# Allegro board mb1260.brd (continued)
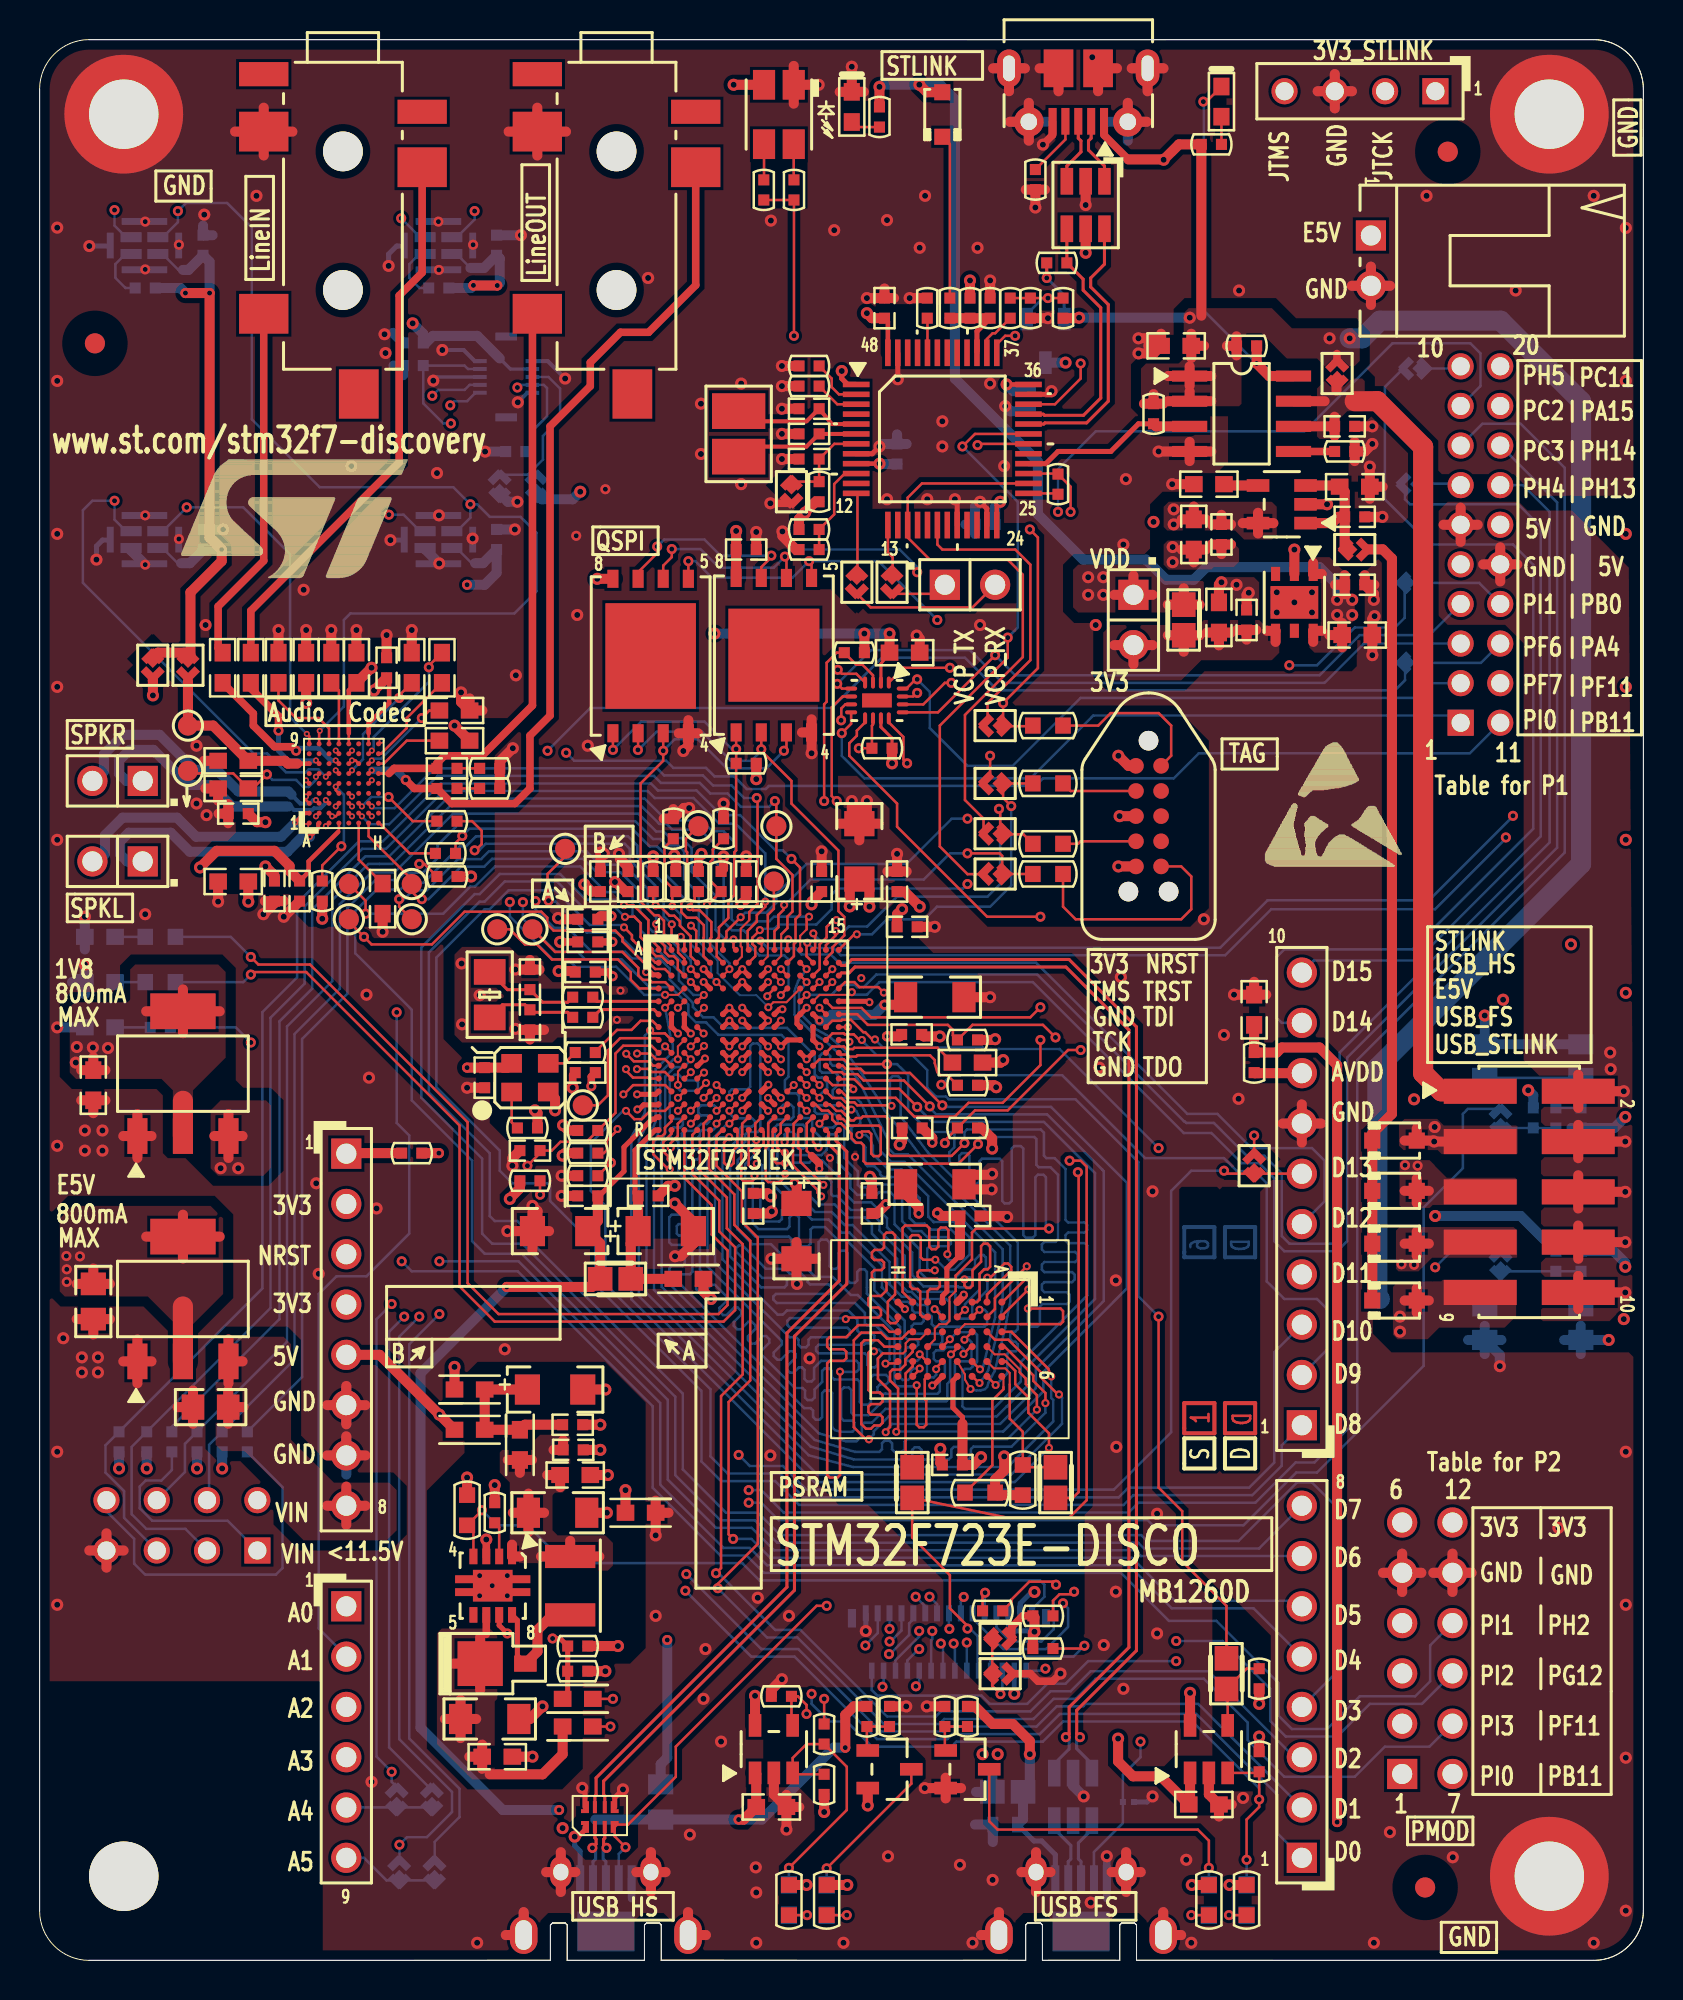
[diagram p0: board, top side]
## Routing (per net, layer and track width the routed paths; a pad name or vN(x,y) marks a point on that pad's centre or on a via; arc(x,y) is an arc through that point) (continued)
ARD_D7: length 82.6
  TOP w0.127: v1(29.51,53.29) 29.99,53.29 30.75,52.53 30.75,51.68 31.26,51.16 U8.A1
  BOTTOM w0.127: CN13.8 61.59,20.8 55.78,20.8 55.48,21.09 37.25,21.09 36.12,22.23 34.39,22.23 32.11,24.51 32.11,28.46 24.38,36.2 22.86,36.2 22.35,36.7 22.35,40.49 19.28,43.56 19.28,51.16 21.97,53.85 22.23,53.85 23.24,54.86 26.28,54.86 27.58,53.57 29.24,53.57 v1(29.51,53.29)
ARD_D8: length 79.8
  TOP w0.127: v1(29.52,52.17) 29.52,52.18 29.92,51.78 29.92,51.57 29.98,51.51 29.98,51.5 30.32,51.16 30.33,51.16 31.11,50.38 U8.B1
  BOTTOM w0.127: v1(29.52,52.17) 29.52,52.17 29.4,52.29 27.78,52.29 26.03,54.04 23.69,54.04 22.73,53.09 22.48,53.09 20.04,50.65 20.04,44.09 23.24,40.89 23.24,39.88 23.88,39.24 25.65,39.24 25.78,39.12 25.78,38.35 28.07,36.07 28.07,34.12 33.43,28.76 33.43,25.2 34.42,24.21 37.15,24.21 38.35,23 54.75,23 55.24,23.5 61.25,23.5 62.74,24.98 62.74,26.01 CN11.1
ARD_D9: length 41.5
  TOP w0.127: v1(38.09,44.21) U8.M11
  L4_SIG w0.102: v2(45.54,44.22) 45.34,44.01 42.35,44.01 41.66,44.7 40.05,44.7 39.1,45.65 39.1,45.65 38.89,45.86 38.59,45.86 38.09,45.36 v1(38.09,44.21)
  BOTTOM w0.127: CN11.2 65.02,30.84 65.02,32.89 64.52,33.4 62.87,33.4 61.98,34.29 61.98,39.24 61.36,39.86 60.47,39.86 59.82,40.51 55.83,40.51 51.64,44.7 46.03,44.7 v2(45.54,44.22)
ARD_D10: length 61.2
  TOP w0.127: v1(29.62,42.9) 30.04,42.48 30.41,42.48 30.47,42.55 30.48,42.55 30.83,42.9 31.58,42.9 U8.N2
  BOTTOM w0.127: v1(29.62,42.9) 29.46,42.9 27.84,41.27 27.84,38.86 28.57,38.13 28.57,34.15 33.88,28.84 33.88,25.45 34.75,24.59 37.38,24.59 38.58,23.39 38.58,23.39 38.6,23.38 54.5,23.38 54.99,23.88 61.09,23.88 62.36,25.14 62.36,30.71 CN11.3
ARD_D11: length 49.4
  TOP w0.127: v1(35.41,52.68) 34.69,51.96 34.69,51.66 34.51,51.48 U8.A6
  L4_SIG w0.102: CN11.4 62.89,34.64 61.85,35.69 61.85,39.23 59.6,41.48 54.36,41.48 49.43,46.41 49.43,52.43 47.8,54.05 47.8,56.72 v2(46.86,57.66)
  BOTTOM w0.127: v1(35.41,52.68) 35.64,52.91 36.7,52.91 37.21,53.42 37.21,53.85 38.73,55.37 43.78,55.37 46.07,57.66 v2(46.86,57.66)
ARD_D12: length 37.3
  TOP w0.102: v1(36.4,51.5) 36.46,51.43 U8.A9
  BOTTOM w0.127: v1(36.4,51.5) 36.79,51.1 38.18,51.1 38.48,50.8 39.95,50.8 40.37,50.38 50.33,50.38 57.96,42.75 59.49,42.75 61.21,41.02 64.26,41.02 64.9,40.39 64.9,38.33 CN11.5
ARD_D13: length 61.4
  TOP w0.127: U8.P4 32.91,42.27 32.91,42.27 v1(32.89,42.26) ; CN11.6 63.74,39.73 SB14.2 59.97,39.73 v2(59.82,39.88)
  L4_SIG w0.102: v1(32.89,42.26) 33.1,42.05 33.1,40.94 34.06,39.98 34.06,35.56 35.46,34.16 35.46,25.68 v2(35.31,25.53)
  BOTTOM w0.127: v2(35.31,25.53) 35.86,24.97 37.54,24.97 38.73,23.77 54.25,23.77 57.15,26.67 57.15,38.86 58.17,39.88 v2(59.82,39.88)
ARD_D14: length 197
  TOP w0.102: U8.J4 33.53,46.15 33.53,46.15 v1(33.56,46.18)
  TOP w0.127: v2(25.28,38.67) 25.27,38.67 R59.1
  L4_SIG w0.102: v1(33.56,46.18) 33.56,46.28 33.91,46.63 33.91,46.99 33.53,47.37 32,47.37 31.62,47 31.62,46.76 30.96,46.1 30.96,44.69 30.47,44.2 29.41,44.2 28.63,43.42 28.63,42.83 28.19,42.4 28.19,41.81 27.38,40.99 27.38,39.57 26.92,39.12 25.91,39.12 25.46,38.67 v2(25.28,38.67) 24.74,38.67 24.05,37.97 21.72,37.97 19.05,35.31 19.05,34.42 v2(17.78,33.15) ; v2(17.78,9.53) 18.92,8.38 24.61,8.38 26.54,10.31 45.44,10.31 47.4,8.36 50.5,8.36 51.28,9.14 64.52,9.14 65.53,10.16 65.53,24.16 71.4,30.02 71.4,35.79 70.48,36.7 67.31,36.7 65.28,38.73 65.28,45.82 CN11.9
  BOTTOM w0.127: 18.03,8.76 17.78,9.02 v2(17.78,9.53) 17.02,10.29 17.02,32.38 v2(17.78,33.15) ; CN11.9 62.74,47.34 62.48,47.6 62.48,50.67 62.87,51.05 69.34,51.05 75.44,57.15 75.44,70.48 74.42,71.5 70.23,71.5 67.94,73.79 67.94,79.46 SB27.1
ARD_D15: length 192.9
  TOP w0.102: U8.H4 v1(32.89,46.16)
  TOP w0.127: R60.1 28.5,40.77 28.65,40.92 28.65,41.4 29.19,41.94 v1(29.19,41.99)
  L4_SIG w0.102: v1(32.89,46.16) 32.66,45.92 32.15,45.92 31.42,45.19 31.42,44.48 30.85,43.9 30.85,43.04 29.84,42.04 29.24,42.04 v1(29.19,41.99) 29.19,41.5 28.32,40.64 28.32,38.23 25.91,35.81 21.59,35.81 19.18,33.4 v2(19.18,32.51) ; v2(18.17,5.84) 19.3,5.84 21.46,8 24.84,8 26.77,9.93 44.85,9.93 44.85,9.93 45.27,9.93 45.31,9.93 47.19,8.05 47.74,8.05 47.76,8.03 50.62,8.03 51.36,8.76 64.64,8.76 65.91,10.03 65.91,23.77 71.75,29.62 71.75,35.94 70.61,37.08 67.69,37.08 65.66,39.12 65.66,48.39 64.16,49.88 CN11.10
  BOTTOM w0.127: CN11.10 64.36,50.5 69.55,50.5 75.82,56.77 75.82,72.39 74.68,73.53 69.22,73.53 68.96,73.79 68.96,74.17 68.76,74.37 SB25.1 ; SB38.1 v2(18.17,5.84) 18.56,6.22 19.56,6.22 20.83,7.49 20.83,8.51 18.16,11.18 18.16,31.5 v2(19.18,32.51)
BLGND: length 12.6
  TOP w0.381: U12.3 v4(22.56,21.25)
  TOP w0.508: v4(25.4,12.83) 24.77,12.19 C75.1 ; C69.1 v4(28.32,27.05) ; R67.1 v4(22.99,24) ; C67.2 v4(28.57,28.83) ; R69.1 v4(29.21,15.88) ; v4(28.7,24.51) C72.1 ; C70.1 v4(28.32,25.78) ; C73.1 v4(28.65,22.61) ; R66.1 v4(21.59,24.38) ; L5.2 v4(29.59,23.75) ; C76.1 v4(24.89,10.29)
  vias: v2(22.23,19.43) v2(22.23,18.41) v2(22.86,18.92) v2(23.62,19.43) v2(23.62,18.41)
BOOT0: length 9.1
  TOP w0.102: U8.D6 v1(34.19,49.41)
  TOP w0.127: v1(31.95,53.24) 31.95,53.8 32.13,53.98 31.56,54.55 31.56,56.2 R36.2
  BOTTOM w0.127: v1(34.19,49.41) 33.91,49.69 33.91,50.29 32.86,51.34 32.86,51.73 32.37,52.22 32.37,52.82 v1(31.95,53.24)
BYPASSREG: length 9.2
  TOP w0.127: U8.L4 33.21,44.54 33.51,44.83 v1(33.56,44.83) ; R61.2 v2(28.85,40.28)
  L4_SIG w0.102: v2(28.85,40.28) 28.91,40.34 28.91,40.79 29.57,41.45 29.77,41.45 31.05,42.74 31.05,43.82 32,44.77 32.48,44.77 32.79,44.45 33.15,44.45 33.53,44.83 v1(33.56,44.83)
CTP_INT: length 46.6
  TOP w0.102: v1(31.59,48.76) 32.24,48.76 U8.D3
  L4_SIG w0.102: v2(20.77,77.62) 21.45,76.94 23.52,76.94 25.65,74.8 25.65,62.61 26.16,62.1 26.16,60.71 24.77,59.31 24.77,54.61 23.75,53.59 v2(23.75,53.45)
  BOTTOM w0.127: v2(23.75,53.45) 23.75,52.72 25.92,50.56 26.68,50.56 27.06,50.18 29.12,50.18 30.54,48.76 v1(31.59,48.76) ; v2(20.77,77.62) 20.39,77.62 19.38,78.63 R21.2 21.46,80.54 21.64,80.36 CN16.2
CTP_RST: length 54.5
  TOP w0.127: U8.M13 v1(39.39,43.56)
  L4_SIG w0.102: v2(24.13,79.43) 24.86,78.7 24.86,76.36 26.04,75.18 26.04,62.99 27.1,61.93 27.1,57.78 26.16,56.84 26.16,55.04 25.04,53.92 v2(25.04,53.49)
  BOTTOM w0.127: v1(39.39,43.56) 39.39,43.68 39.78,44.07 39.78,44.32 39.76,44.34 39.76,44.36 39.54,44.57 39.53,44.57 39.52,44.58 39.32,44.58 39.14,44.75 39.14,45.69 37.75,47.09 34.57,47.09 34.04,47.62 33.52,47.62 32.99,48.15 32.99,48.35 31.82,49.53 31.82,50.1 31.32,50.6 29.92,50.6 29.57,50.94 27.88,50.94 26.67,52.15 25.98,52.15 25.04,53.08 v2(25.04,53.49) ; v2(24.13,79.43) 24.26,79.56 CN16.7 25.47,79.56 25.63,79.4 25.63,77.98 24.86,77.22 24.86,76.5 R18.2
CTP_SCL: length 77.7
  TOP w0.127: v2(51.31,46.61) 50.67,47.24 47.12,47.24 R52.2 46.13,46.71 46.13,46.99 45.87,47.24 41.83,47.24 41.29,47.78 U8.F15
  L4_SIG w0.102: v2(51.31,46.61) 51.64,46.94 51.64,70.74 52.96,72.06 52.96,73.91 52.25,74.63 45.14,74.63 42.7,77.06 41.43,77.06 38.48,80.01 37.08,80.01 36.6,80.49 22.7,80.49 v2(20.74,78.53)
  BOTTOM w0.127: CN16.5 22.01,79.16 21.59,78.74 20.95,78.74 v2(20.74,78.53)
CTP_SDA: length 86.7
  TOP w0.127: U8.M12 v1(38.74,43.56) ; v2(52.58,45.97) 51.94,45.97 48.9,42.93 47.24,42.93 R56.1 45.72,41.4 v2(45.72,41.27)
  L4_SIG w0.102: v1(38.74,43.56) 38.77,43.56 39.22,43.1 39.95,43.1 40.66,42.4 41.43,42.4 41.48,42.45 41.98,42.45 42.69,41.73 42.95,41.73 42.95,41.73 45.34,41.73 45.72,41.35 v2(45.72,41.27) ; v2(52.58,45.97) 52.32,46.23 52.32,70.23 53.72,71.63 53.72,74.17 51.94,75.95 45.09,75.95 43.28,77.75 41.76,77.75 38.1,81.41 22.23,81.41 v2(19.83,79.01)
  BOTTOM w0.127: CN16.4 21.72,79.56 21.46,79.31 20.13,79.31 v2(19.83,79.01)
DMIC_VDD: length 73.7
  TOP w0.508: v2(7.37,84.2) v2(8.59,84.2) 8.59,71.86 v2(9.19,71.25) 9.19,70.66 7.62,69.09 7.62,65.9 SB5.2 7.29,66.04 5.98,66.04 SB1.2 ; v2(23.11,84.58) 21.92,84.58 v2(21.91,84.59)
  L4_SIG w0.508: v2(21.59,69.47) 17.14,69.47 15.37,71.25 v2(9.19,71.25) ; v2(8.59,84.2) 10.64,86.26 20.24,86.26 v2(21.91,84.59)
  BOTTOM w0.127: U17.1 6.21,86.17 7.01,85.37 7.24,85.37 ; U19.1 6.21,71.32 6.97,70.56 7.15,70.56 ; U18.1 21.05,71.32 21.82,70.56 22,70.56 ; 21.76,85.47 21.05,86.17 U16.1
  BOTTOM w0.508: R85.2 21.78,84.45 v2(21.91,84.59) ; v2(9.19,71.25) C85.1 8.26,71.22 7.59,70.56 7.15,70.56 ; v2(21.59,69.47) 22.48,69.47 23.08,70.07 C84.1 22.4,70.56 22,70.56 ; 21.76,85.47 22.45,85.47 C79.1 23.24,85.95 23.24,84.71 v2(23.11,84.58) ; v2(7.37,84.2) 7.11,84.45 R86.2 ; v2(8.59,84.2) 8.59,85.78 C80.1 7.52,85.37 7.24,85.37
DMICCLK: length 74.5
  TOP w0.127: U7.C6 v3(14.46,59.78)
  L4_SIG w0.102: v2(18.26,87.98) 17.66,87.38 10.05,87.38 8.65,88.77 4.17,88.77 v2(3.78,88.39) v2(3.78,73.71) 4.98,72.52 7.82,72.52 8.32,73.01 v2(17.64,73.01)
  BOTTOM w0.127: U19.3 4.37,72.17 3.78,72.76 v2(3.78,73.71) 2.67,73.71 2.18,73.23 2.18,69.57 10.81,60.95 11.49,60.95 12.45,59.99 13.44,59.99 13.59,60.15 14.09,60.15 v3(14.46,59.78) ; U16.3 19.21,87.02 v2(18.26,87.98) ; v2(17.64,73.01) 18.38,73.01 19.21,72.17 U18.3 ; U17.3 4.37,87.02 3.78,87.6 v2(3.78,88.39)
DMICDAT1: length 54.7
  TOP w0.127: U7.B9 14.12,62.06 v3(14.15,62.09)
  BOTTOM w0.127: v2(21.76,73.53) 21.76,72.86 21.08,72.17 U18.4 ; v2(21.76,73.53) 22.1,73.53 22.74,72.9 24.29,72.9 25.1,72.09 25.1,69.14 23.98,68.02 15.7,68.02 15.37,67.69 15.37,63.31 v3(14.15,62.09) ; v2(21.76,73.53) 20.89,74.4 14.15,74.4 10.72,77.83 10.72,87.5 9.47,88.75 7.39,88.75 v2(6.99,88.34) 6.99,87.78 6.23,87.02 U17.4
DMICDAT2: length 48.8
  TOP w0.127: U7.A9 13.62,61.82 v3(13.49,61.94)
  L4_SIG w0.102: v2(21.97,88.34) 20.55,86.92 8.84,86.92 6.43,84.51 6.43,74.38 v2(7.43,73.38)
  BOTTOM w0.127: U19.4 6.23,72.17 v2(7.43,73.38) 10.29,73.38 12.65,71.02 12.65,62.78 v3(13.49,61.94) ; U16.4 21.08,87.02 21.97,87.92 v2(21.97,88.34)
E5V: length 200.4
  TOP w0.508: 1.87,34.16 C68.2 ; C68.2 2.71,34.94 ; C68.2 3.55,34.16 ; 5.38,36.55 U11.4 ; U11.4 7.24,35.45 ; U11.4 7.24,37.66 ; U11.4 9.09,36.55 ; R58.2 v2(20.17,40.77) ; 68.94,38.86 D4.1 ; D4.1 69.55,39.47 ; D4.1 70.16,38.86 ; D4.1 69.55,38.25
  TOP w1.016: U11.2 7.24,33.02
  L4_SIG w0.508: 2.26,34.39 11.91,34.39 14.58,37.06 17.37,37.06 20.17,39.85 v2(20.17,40.77)
  L4_SIG w1.016: 58.42,78.11 50.8,78.11 49.97,78.93 49.97,79.95 48.64,81.28 42.36,81.28 36.8,86.84 26.9,86.84 23.62,83.57 21.13,83.57 18.68,81.11 18.68,77.88 22.99,73.58 22.99,62.23 20.45,59.69 20.45,53.21 17.91,50.67 13.21,50.67 7.75,45.21 7.75,40.69 5.13,38.07 2.79,38.07 1.75,37.03 1.75,36.47 ; 58.42,78.11 61.09,78.11 63.5,80.52 63.5,85.47 65.14,87.11 CN3.1 ; 58.42,78.11 58.42,68.83 60.2,67.06 63.25,67.06 67.18,63.12 67.18,41.02 68.07,40.13
  vias: v2(1.35,35.57) v2(1.37,34.9) v2(1.37,34.26) v2(2.04,35.55) v2(68.96,40.16) v2(69.6,40.13)
LCD-RS_A0: length 2
  TOP w0.127: v2(47.75,18.57) 47.62,18.44 R101.2
  BOTTOM w0.127: CN17.21 47.73,18.54 v2(47.75,18.57)
LCD_BL: length 66.7
  TOP w0.127: L7.1 v2(28.96,13.21) ; U8.L12 v1(38.74,44.21)
  L4_SIG w0.102: v1(38.74,44.21) 39.1,44.56 39.54,44.56 40.51,43.59 41.7,43.59 42.95,42.34 45.92,42.34 46.1,42.16 48.39,42.16 53.34,37.21 53.34,33.27 53.85,32.77 53.85,18.08 52.1,16.33 51.31,16.33 49.83,14.86 48.77,14.86 45.87,11.96 39.85,11.96 38.86,12.95 38.38,12.95 38.15,12.73 29.44,12.73 v2(28.96,13.21)
LCD_NE: length 54.3
  TOP w0.102: v1(37.44,49.4) 37.11,49.73 U8.C10
  TOP w0.127: v2(52.77,15.89) 52.63,15.75 51.18,15.75
  L4_SIG w0.102: v1(37.44,49.4) 37.44,49.4 37.44,49.3 37.87,48.87 37.87,47.17 40.03,45.01 42.04,45.01 42.34,44.7 45.82,44.7 47.68,42.85 48.77,42.85 54.86,36.75 54.86,27.03 55.22,26.67 55.22,16.9 55.09,16.78 53.64,16.78 52.76,15.89 v2(52.77,15.89)
  BOTTOM w0.127: v2(52.77,15.89) 52.22,15.34 48.23,15.34 48.03,15.13 CN17.22
LCD_PSRAM_D0: length 53.3
  TOP w0.127: U8.M14 40.05,43.55 40.5,43.55 40.69,43.36 40.7,43.36 40.72,43.33 41.15,43.33 41.3,43.18 43,43.18 v1(43.03,43.15) ; v1(48.29,29.06) U10.B6
  L4_SIG w0.102: v1(48.29,29.06) 49.58,29.06 49.71,29.18 49.71,29.46 49.58,29.59 48.89,29.59 48.77,29.71 48.77,29.88 48.89,30 49.56,30 49.68,30.12 49.68,30.33 49.56,30.45 48.92,30.45 48.79,30.58 48.79,30.78 48.92,30.91 49.94,30.91 50.06,30.78 50.06,28.78 49.94,28.65 49.68,28.65 49.56,28.52 49.56,27.15 50.04,26.67 50.04,25.22 50.16,25.1 50.6,25.1 50.72,24.97 50.72,19.89 50.6,19.76 49.48,19.76 49.35,19.63 49.35,17.78 48.64,17.07 47.41,17.07 47.29,16.95 47.29,16.78 47.41,16.66 47.73,16.66 47.85,16.54 47.85,16.33 47.73,16.21 46.95,16.21 46.83,16.08 v2(46.83,16.05)
  BOTTOM w0.127: v1(43.03,43.15) 42.95,43.23 42.95,44.53 43.08,44.65 43.36,44.65 43.48,44.53 43.48,42.62 44.86,40.8 49.4,36.26 49.4,31.88 49.28,31.75 49.15,31.75 49.02,31.62 49.02,31.37 49.15,31.24 49.28,31.24 49.4,31.11 49.4,30.86 49.3,30.76 49,30.76 48.87,30.63 48.87,29.64 v1(48.29,29.06) ; CN17.18 v2(46.83,16.05)
LCD_PSRAM_D1: length 54.8
  TOP w0.127: U8.L14 40.05,44.2 41,44.2 41.1,44.1 v1(41.1,43.99) ; U10.C5 v1(47.49,29.85)
  L4_SIG w0.102: v2(46.67,18.35) 46.67,18.71 47.12,19.15 47.27,19.15 47.37,19.05 47.37,18.8 47.12,18.54 47.12,18.26 47.24,18.14 48.41,18.14 48.54,18.01 48.54,17.88 48.67,17.75 48.9,17.75 49.02,17.88 49.02,18.54 48.9,18.67 48.26,18.67 48.13,18.8 48.13,18.97 48.26,19.1 48.87,19.1 49.05,19.28 49.05,19.94 49.17,20.07 50.29,20.07 50.42,20.19 50.42,22.15 50.32,22.25 49.35,22.25 49.25,22.35 49.25,22.56 49.35,22.66 50.22,22.66 50.34,22.78 50.34,22.94 50.22,23.06 49.35,23.06 49.25,23.16 49.25,23.37 49.35,23.47 50.25,23.47 50.37,23.59 50.37,23.76 50.25,23.88 49.35,23.88 49.25,23.98 49.25,24.18 49.35,24.28 50.27,24.28 50.39,24.41 50.39,24.61 50.27,24.74 49.86,24.74 49.73,24.87 49.73,26.42 49.25,26.9 49.25,27.03 49.25,27.28 49.25,27.28 49.25,28.55 49.12,28.68 47.98,28.68 47.85,28.8 47.85,29.72 47.73,29.85 v1(47.49,29.85)
  BOTTOM w0.127: CN17.17 46.53,18.13 46.67,18.28 v2(46.67,18.35) ; v1(47.49,29.85) 47.5,29.85 47.62,29.98 47.65,29.98 48.26,32.48 48.26,35.76 43.7,40.32 43.02,40.32 42.47,40.87 42.47,41.21 41.66,42.93 41.48,43.31 41.25,43.54 40.18,43.54 40.06,43.66 40.06,43.94 40.31,44.2 40.31,44.7 40.18,44.83 39.52,44.83 39.4,44.96 39.4,45.67 39.52,45.8 39.8,45.8 39.93,45.67 39.93,45.31 40.06,45.19 40.36,45.19 40.64,44.91 40.64,43.99 40.74,43.89 41,43.89 v1(41.1,43.99)
LCD_PSRAM_D2: length 55
  TOP w0.127: U10.C6 47.11,29.49 47.45,29.16 v1(47.47,29.16) ; U8.B12 38.42,50.38 v1(38.74,50.06)
  L4_SIG w0.102: v1(47.47,29.16) 47.55,29.08 47.55,28.47 47.68,28.35 48.79,28.35 48.92,28.22 48.92,26.77 49.33,26.37 49.33,24.76 48.92,24.35 48.92,22.07 49.05,21.95 49.96,21.95 50.09,21.82 50.09,21.59 49.96,21.46 49.56,21.46 49.43,21.34 49.43,21.08 49.56,20.95 49.91,20.95 50.04,20.83 50.04,20.57 49.91,20.45 47.19,20.45 47.07,20.32 47.07,20.09 47.19,19.96 48.59,19.96 48.72,19.84 48.72,19.58 48.59,19.46 46.99,19.46 46.24,18.71 46.24,17.93 46.37,17.81 48.18,17.81 48.31,17.68 48.31,17.5 48.18,17.37 46.51,17.37 46.38,17.25 46.38,16.22 v2(46.16,16)
  BOTTOM w0.127: v1(47.47,29.16) 47.76,29.53 47.91,29.8 48.42,31.92 48.64,33.12 48.64,35.92 43.85,40.7 43.18,40.7 42.85,41.03 42.85,41.32 42.85,41.43 41.4,44.38 41.33,44.48 40.35,45.81 39.69,46.43 39.01,46.86 38.13,47.75 38.13,48.95 38.31,49.46 v1(38.74,50.06) ; CN17.16 46.23,15.81 46.16,15.88 v2(46.16,16)
LCD_PSRAM_D3: length 54.9
  TOP w0.102: U10.D5 46.74,29.59 46.74,29.34 46.96,28.96
  TOP w0.127: 46.96,28.96 v1(47.02,28.85) ; U8.C12 38.73,49.41 v1(38.74,49.41)
  L4_SIG w0.102: v1(47.02,28.85) 46.89,28.73 46.89,28.14 47.02,28.02 48.49,28.02 48.62,27.89 48.62,27.66 48.51,27.56 47.01,27.56 46.89,27.44 46.89,27.27 47.01,27.15 48.51,27.15 48.62,27.05 48.62,26.04 48.49,25.91 47.17,25.91 47.04,25.78 47.04,24.87 47.17,24.74 48.46,24.74 48.59,24.61 48.59,21.77 48.46,21.64 46.89,21.64 46.76,21.51 46.76,21.36 46.89,21.23 48.98,21.23 49.1,21.12 49.1,20.95 48.98,20.83 46.89,20.83 46.76,20.7 46.76,19.66 45.94,18.83 45.94,16.75 v2(45.95,16.74)
  BOTTOM w0.127: v2(45.95,16.74) 45.93,16.76 CN17.15 ; v1(38.74,49.41) 38.35,48.85 38.35,47.88 39.19,47.04 39.89,46.64 40.53,46.09 40.67,45.95 41.55,44.74 42.25,43.67 42.69,42.9 43.93,41.38 44.54,40.58 49.02,36.09 49.02,33.27 48.77,31.93 48.24,29.76 47.99,29.32 47.92,29.17 47.85,28.96 47.74,28.84 47.52,28.78 47.31,28.78 v1(47.02,28.85)
LCD_PSRAM_D4: length 52.6
  TOP w0.127: U10.E5 45.28,29.93 v1(45.28,29.86) ; v1(36.22,40.23) 36.22,40.16 36.09,40.03 35.94,40.03 35.81,40.16 U8.R8
  L4_SIG w0.102: v1(45.28,29.86) 46.43,29.86 46.56,29.73 46.56,26.9 46.69,26.77 48.18,26.77 48.31,26.64 48.31,26.34 48.18,26.21 46.74,26.21 46.61,26.09 46.61,24.49 46.74,24.36 48.13,24.36 48.26,24.23 48.26,24.03 48.16,23.93 47.29,23.93 47.17,23.81 47.17,23.64 47.29,23.52 48.16,23.52 48.26,23.42 48.26,23.22 48.16,23.11 46.6,23.11 46.48,22.99 46.48,22.83 46.6,22.71 48.16,22.71 48.26,22.61 48.26,22.4 48.16,22.3 46.58,22.3 46.46,22.17 46.46,19.79 45.52,18.85 v2(45.52,16)
  BOTTOM w0.127: v2(45.52,16) 45.63,15.89 CN17.14 ; v1(45.28,29.86) 45.28,29.57 45.15,29.44 44.95,29.44 44.82,29.57 44.82,30.99 44.95,31.11 45.47,31.11 45.59,31.24 45.59,31.52 45.47,31.65 44.17,31.65 44.04,31.78 44.04,32.03 44.17,32.16 44.53,32.16 44.65,32.28 44.65,32.59 44.53,32.72 44.2,32.72 44.07,32.84 44.07,33.04 44.07,33.04 44.07,33.05 43.86,33.26 43.27,33.26 42.93,33.61 42.93,33.61 42.77,33.76 42.77,33.76 42.55,33.99 42.55,33.99 42.55,35.11 40.91,36.75 40.5,36.75 39.84,37.41 39,37.41 38.39,38.02 38.38,38.02 37.62,38.02 37.49,37.9 37.49,37.44 37.36,37.31 36.55,37.31 36.4,37.47 36.4,38.86 36.5,38.96 36.5,40.13 36.4,40.23 v1(36.22,40.23)
LCD_PSRAM_D5: length 52.5
  TOP w0.127: v1(44.45,30.61) 44.81,30.24 U10.F5 ; U8.P8 35.48,42.25 35.48,41.72 35.47,41.71 35.47,40.96 35.43,40.92 35.43,39.47 35.56,39.34 35.98,39.34 36.11,39.47 v1(36.11,39.62)
  L4_SIG w0.102: v1(44.45,30.61) 44.45,30.86 44.58,30.99 48.16,30.99 48.29,30.86 48.29,30.35 48.16,30.23 45.03,30.23 44.91,30.1 44.91,29.58 45.03,29.45 46.13,29.45 46.25,29.33 46.25,24.59 46.13,24.46 45.39,24.46 45.26,24.33 45.26,24.08 45.39,23.95 46.74,23.95 46.86,23.83 46.86,23.65 46.74,23.52 46.25,23.52 46.13,23.39 46.13,21.34 46,21.21 45.39,21.21 45.29,21.11 45.29,20.9 45.39,20.8 45.97,20.8 46.1,20.68 46.1,20.47 45.97,20.35 45.34,20.35 45.21,20.22 45.21,19.99 45.34,19.86 45.64,19.86 45.77,19.74 45.77,19.53 45.64,19.41 45.34,19.41 45.21,19.28 45.21,18.49 45.09,18.36 v2(44.95,18.36)
  BOTTOM w0.127: v1(36.11,39.62) 36.02,39.54 36.02,37.22 36.31,36.93 37.74,36.93 37.87,37.06 37.87,37.52 38,37.64 38.23,37.64 38.35,37.52 38.35,36.2 38.48,36.07 38.81,36.07 38.94,36.2 38.94,36.91 39.07,37.03 39.66,37.03 40.32,36.37 40.75,36.37 42.16,34.96 42.16,33.83 43.69,32.31 43.69,31.5 43.81,31.37 44.25,31.37 44.37,31.24 44.37,31.09 44.25,30.96 43.84,30.96 43.71,30.84 43.71,30.4 43.84,30.28 44.32,30.28 44.45,30.4 v1(44.45,30.61) ; v2(44.95,18.36) 45.33,17.98 CN17.13
LCD_PSRAM_D6: length 49.4
  TOP w0.127: U8.P9 36.15,42.26 36.15,41.48 v1(36.2,41.43) ; U10.F6 44.7,29.35 44.7,28.35 44.78,28.27 44.78,27.05 44.65,26.92 44.42,26.92 44.3,27.05 v1(44.3,29.04)
  L4_SIG w0.102: v1(44.3,29.04) 44.22,28.97 44.22,28.65 44.35,28.52 44.58,28.52 44.7,28.4 44.7,28.22 44.58,28.09 44.35,28.09 44.22,27.97 44.22,27.76 44.35,27.64 44.58,27.64 44.65,27.56 44.65,23.57 44.53,23.44 43.61,23.44 43.48,23.32 43.48,23.09 43.59,22.99 44.55,22.99 44.65,22.89 44.65,22.68 44.55,22.58 43.59,22.58 43.48,22.48 43.48,22.28 43.59,22.17 44.55,22.17 44.65,22.07 44.65,21.87 44.55,21.77 43.59,21.77 43.48,21.67 43.48,21.46 43.59,21.36 44.55,21.36 44.65,21.26 44.65,21.06 44.55,20.95 43.59,20.95 43.48,20.85 43.48,18.39 43.94,17.93 45.06,17.93 45.19,17.81 45.19,16.74 v2(45.09,16.64)
  BOTTOM w0.127: v1(44.3,29.04) 44.25,28.99 43.31,28.99 43.18,29.12 43.18,31.74 41.31,33.6 40.97,33.6 40.06,34.52 39.17,34.52 38.64,35.05 38.32,35.05 38.05,35.05 36.94,36.17 35.99,36.17 35.26,36.91 35.26,40.42 35.83,40.99 35.83,41.02 36.2,41.39 v1(36.2,41.43) ; v2(45.09,16.64) 45.09,16.23 45.03,16.17 CN17.12
LCD_PSRAM_D7: length 54.1
  TOP w0.127: v1(44.45,29.89) 44.45,29.84 U10.G6 ; U8.R9 36.57,41.83 36.57,41.24 v1(36.2,40.87)
  L4_SIG w0.102: v2(44.25,18.36) 43.94,18.36 43.81,18.49 43.81,18.69 43.94,18.82 44.7,18.82 44.83,18.95 44.83,19.18 44.7,19.3 43.94,19.3 43.81,19.43 43.81,19.61 43.94,19.74 44.73,19.74 44.86,19.86 44.86,20.04 44.73,20.17 43.92,20.17 43.79,20.29 43.79,20.47 43.92,20.6 44.83,20.6 44.96,20.73 44.96,20.93 44.96,21.18 44.96,21.18 44.96,21.51 45.06,21.62 45.65,21.62 45.77,21.73 45.77,21.9 45.65,22.02 45.06,22.02 44.96,22.12 44.96,22.33 45.06,22.43 45.65,22.43 45.77,22.55 45.77,22.72 45.65,22.83 45.06,22.83 44.96,22.94 44.96,23.14 45.06,23.24 45.63,23.24 45.75,23.36 45.75,23.53 45.63,23.65 45.06,23.65 44.96,23.75 44.96,24.77 45.06,24.87 45.83,24.87 45.95,24.99 45.95,25.15 45.83,25.27 45.11,25.27 44.98,25.4 44.98,26.39 45.11,26.52 45.83,26.52 45.95,26.64 45.95,26.8 45.83,26.92 45.13,26.92 45.01,27.04 45.01,27.21 45.13,27.33 45.83,27.33 45.95,27.45 45.95,27.62 45.83,27.74 45.08,27.74 44.96,27.86 44.96,28.02 45.08,28.14 45.8,28.14 45.92,28.27 45.92,28.55 45.8,28.68 44.93,28.68 44.7,28.91 44.7,29.34 44.45,29.59 v1(44.45,29.89)
  BOTTOM w0.127: v1(44.45,29.89) 44.12,29.89 43.99,29.76 43.99,29.44 43.87,29.31 43.59,29.31 43.46,29.44 43.46,32 41.78,33.68 41.78,33.99 41.78,33.99 41.78,34.77 41.66,34.9 41.43,34.9 41.3,34.77 41.3,34.34 41.17,34.21 40.95,34.21 40.82,34.34 40.82,35.71 40.69,35.84 40.49,35.84 40.36,35.71 40.36,35.05 40.23,34.92 40.03,34.92 39.9,35.05 39.9,36.25 39.76,36.4 39.47,36.4 39.34,36.27 39.34,35.43 39.22,35.31 38.92,35.31 38.76,35.47 38.76,35.56 38.63,35.69 38.1,35.69 37.97,35.81 37.97,36.42 37.85,36.55 36.15,36.55 35.64,37.06 35.64,40.21 36.2,40.77 v1(36.2,40.87) ; CN17.11 44.73,17.88 v2(44.25,18.36)
LCD_PSRAM_D8: length 52.5
  TOP w0.127: U8.P10 36.8,42.26 36.8,41.15 36.68,41.03 36.68,39.43 36.8,39.31 37.38,39.31 37.66,39.58 v1(37.66,39.73) ; U10.B1 47.85,33.63 49.07,34.85 49.07,35.03 48.91,35.19 48.73,35.19 48.02,34.48 v1(47.87,34.48)
  L4_SIG w0.102: v2(44.26,13.84) 46.4,13.84 50.75,18.19 50.75,19 50.9,19.15 51.36,19.61 51.36,28.17 51.33,28.2 51.33,28.2 51.1,28.42 51.1,28.42 50.7,28.83 50.7,31.42 47.87,34.25 v1(47.87,34.48)
  BOTTOM w0.127: v2(44.26,13.84) 44.43,14.01 CN17.10 ; v1(37.66,39.73) 37.66,39.75 37.78,39.88 38.29,39.88 38.6,39.57 39.75,39.57 39.98,39.34 39.98,38.69 40.07,38.6 40.27,38.6 40.98,37.9 41.85,37.9 42.42,37.33 42.42,36.86 43.69,35.59 43.69,34.51 43.69,34.51 43.69,34.45 44.38,33.76 46.12,33.76 46.25,33.63 46.25,32.54 46.38,32.41 46.98,32.41 47.1,32.54 47.1,33.09 47.87,33.85 v1(47.87,34.48)
LCD_PSRAM_D9: length 48.4
  TOP w0.127: U10.C1 47.35,33.24 47.47,33.37 47.47,34.67 47.7,34.9 47.88,34.9 48.01,35.03 48.01,36.07 47.88,36.2 47.68,36.2 47.55,36.07 47.55,35.28 47.12,34.85 47.12,34.08 47,33.96 46.83,33.96 46.71,34.08 v1(46.71,34.39) ; v1(37.66,40.26) 37.21,40.26 37.06,40.41 37.06,40.92 37.03,40.96 37.03,41.84 U8.R10
  L4_SIG w0.102: v2(42.9,15.47) 43.1,15.67 43.11,15.67 43.76,16.33 43.76,17.12 42.85,18.03 42.85,24.87 42.98,24.99 43.84,24.99 43.97,25.12 43.97,27.13 43.61,27.48 43.61,31.01 44.73,32.13 44.73,32.94 46.18,34.39 v1(46.71,34.39)
  BOTTOM w0.127: v2(42.9,15.47) 42.95,15.47 43.92,16.43 43.92,17.02 44.13,17.23 CN17.9 ; v1(46.71,34.39) 46.81,34.49 46.96,34.49 47.09,34.37 47.09,34.11 46.96,33.99 46.43,33.99 46.38,34.04 44.64,34.04 44.07,34.61 44.07,34.67 44.07,34.67 44.07,35.75 42.8,37.02 42.8,37.48 42.01,38.28 41.14,38.28 40.36,39.05 40.36,39.55 39.52,40.4 38.98,40.4 38.87,40.28 37.68,40.28 v1(37.66,40.26)
LCD_PSRAM_D10: length 51.9
  TOP w0.127: U10.C2 47.46,32.86 v1(47.47,32.86) ; v1(37.44,42.91) U8.N11
  L4_SIG w0.102: v2(44.42,15.72) 44.42,15.29 44.6,15.11 47.24,15.11 49.75,17.61 49.75,19.33 49.87,19.46 50.77,19.46 51.05,19.74 51.05,25.3 50.93,25.43 50.55,25.43 50.42,25.55 50.42,26.72 50.55,26.84 50.95,26.84 51.05,26.95 51.05,27.15 50.95,27.25 49.99,27.25 49.89,27.35 49.89,28.19 50.01,28.32 50.27,28.32 50.39,28.45 50.39,31.29 48.83,32.86 v1(47.47,32.86)
  BOTTOM w0.127: v1(47.47,32.86) 47.73,32.86 47.85,32.73 47.85,32.13 47.73,32 45.19,32 45.06,32.13 45.06,32.51 44.84,32.74 44.84,33.02 44.75,33.1 44.35,33.1 43.93,33.52 43.55,33.52 42.93,34.14 42.93,34.2 42.93,34.2 42.93,35.27 41.06,37.13 40.66,37.13 40,37.8 39.16,37.8 38.53,38.43 37.79,38.43 37.78,38.43 36.88,39.33 36.88,40.89 36.8,40.97 36.8,42.34 36.93,42.47 37.95,42.47 38.07,42.6 38.07,43.08 37.95,43.21 37.57,43.21 37.44,43.08 v1(37.44,42.91) ; v2(44.42,15.72) 44.4,15.72 43.83,15.15 CN17.8
LCD_PSRAM_D11: length 52.6
  TOP w0.127: v1(37.65,40.79) 37.51,40.79 37.25,41.05 37.25,41.62 37.43,41.8 37.43,42.25 U8.P11 ; v1(46.74,32.85) 46.71,32.85 U10.D2
  L4_SIG w0.102: v2(42.93,16.1) 43.38,16.56 43.38,17.02 42.55,17.86 42.55,25.2 42.67,25.32 43.52,25.32 43.64,25.44 43.64,25.65 43.51,25.78 42.77,25.78 42.65,25.91 42.65,26.11 42.77,26.24 43.54,26.24 43.66,26.37 43.66,27 43.54,27.13 42.72,27.13 42.6,27.25 42.6,29.31 42.72,29.44 43.18,29.44 43.31,29.57 43.31,31.22 44.35,32.26 44.35,32.99 46.18,34.82 46.86,34.82 47.14,34.54 47.14,33.31 46.74,32.9 v1(46.74,32.85)
  BOTTOM w0.127: CN17.7 43.53,16.65 42.98,16.1 v2(42.93,16.1) ; v1(46.74,32.85) 46.74,33.14 47.47,33.88 47.47,34.65 47.8,34.97 47.8,35.49 47.67,35.62 47.49,35.62 47.24,35.38 47.24,35.03 47.12,34.9 46.77,34.9 46.68,34.9 46.2,34.42 44.8,34.42 44.45,34.77 44.45,35.9 43.18,37.17 43.18,38.58 42.96,38.8 42.41,38.8 42.27,38.66 41.29,38.66 40.94,39.01 40.94,39.67 40.32,40.29 40.32,40.68 40.31,40.68 40.31,41.62 40.21,41.72 39.88,41.72 39.76,41.59 39.76,40.94 39.48,40.67 37.77,40.67 v1(37.65,40.79)
